# KiCad board BeanBoard.kicad_pcb
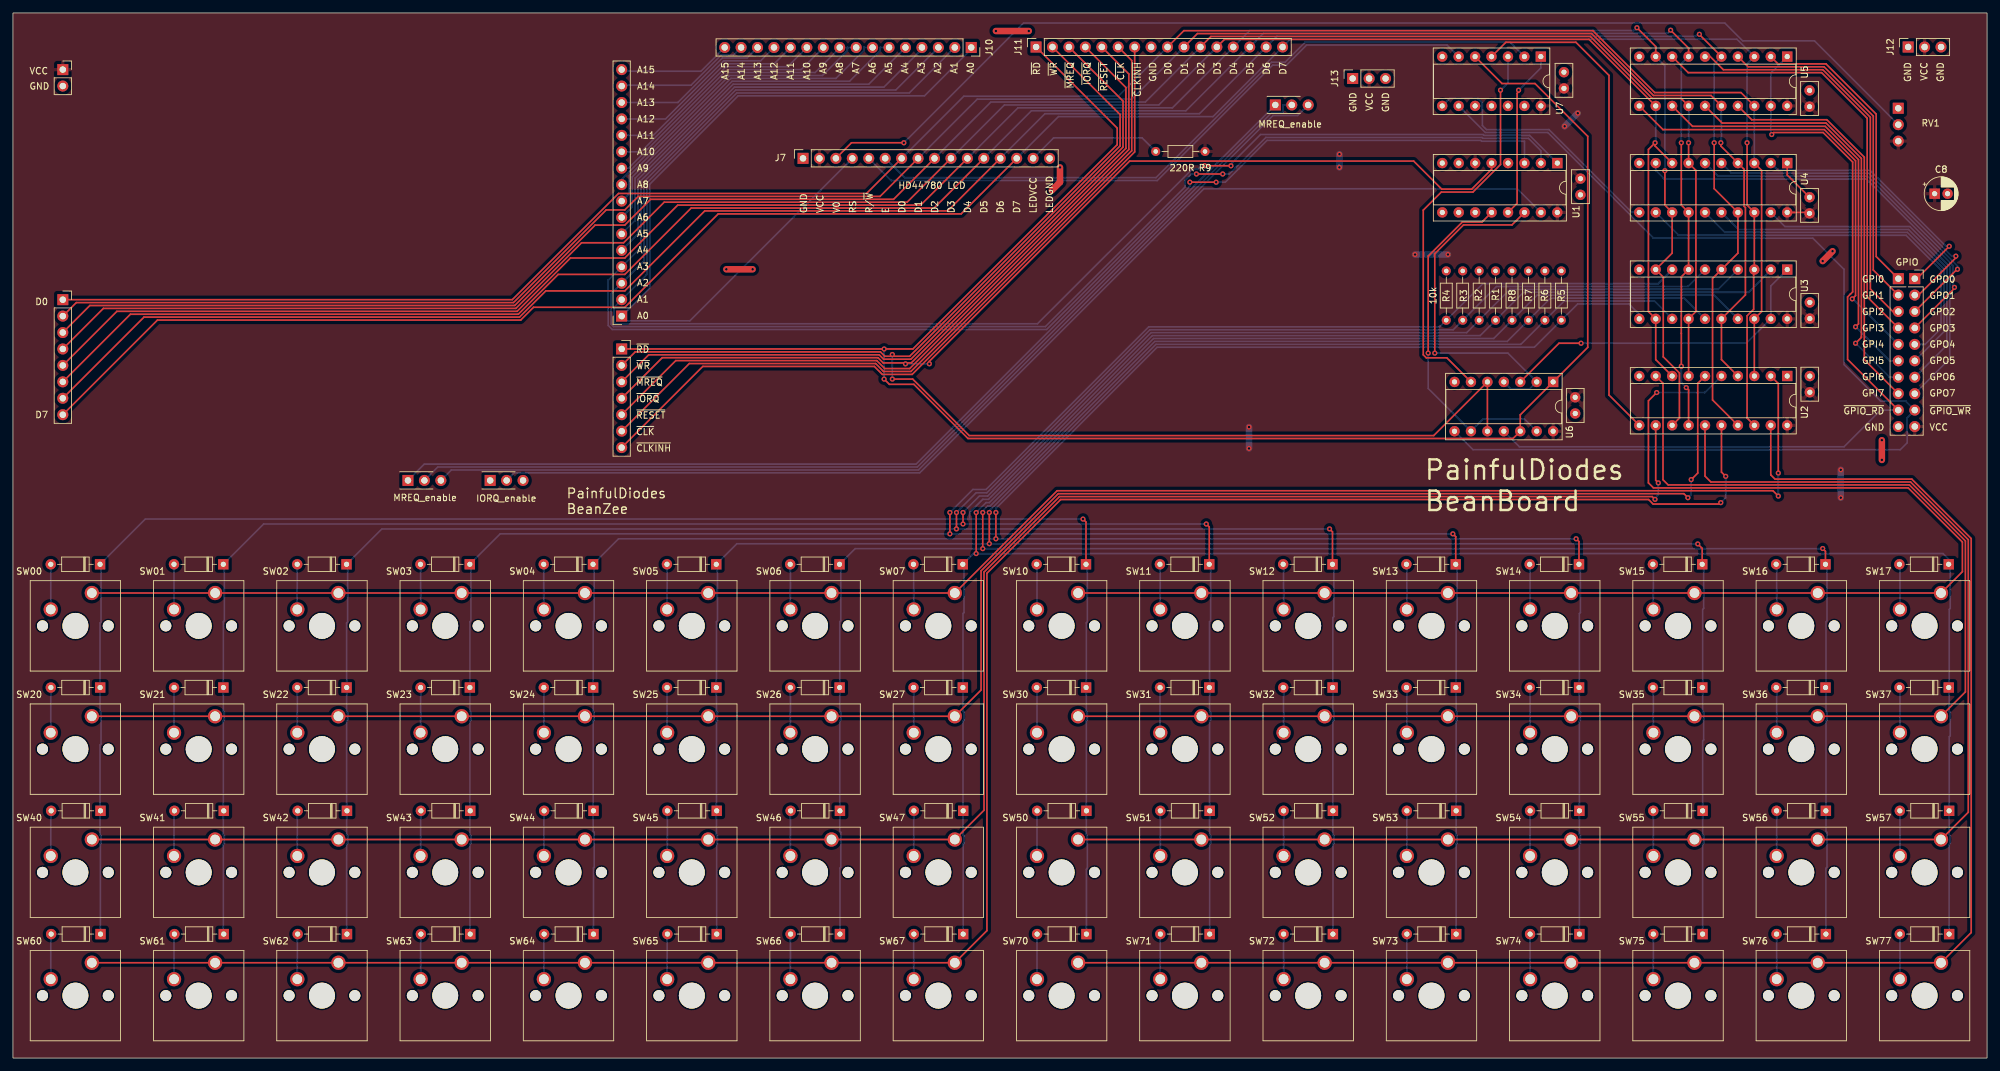
[diagram p0: board, top side]
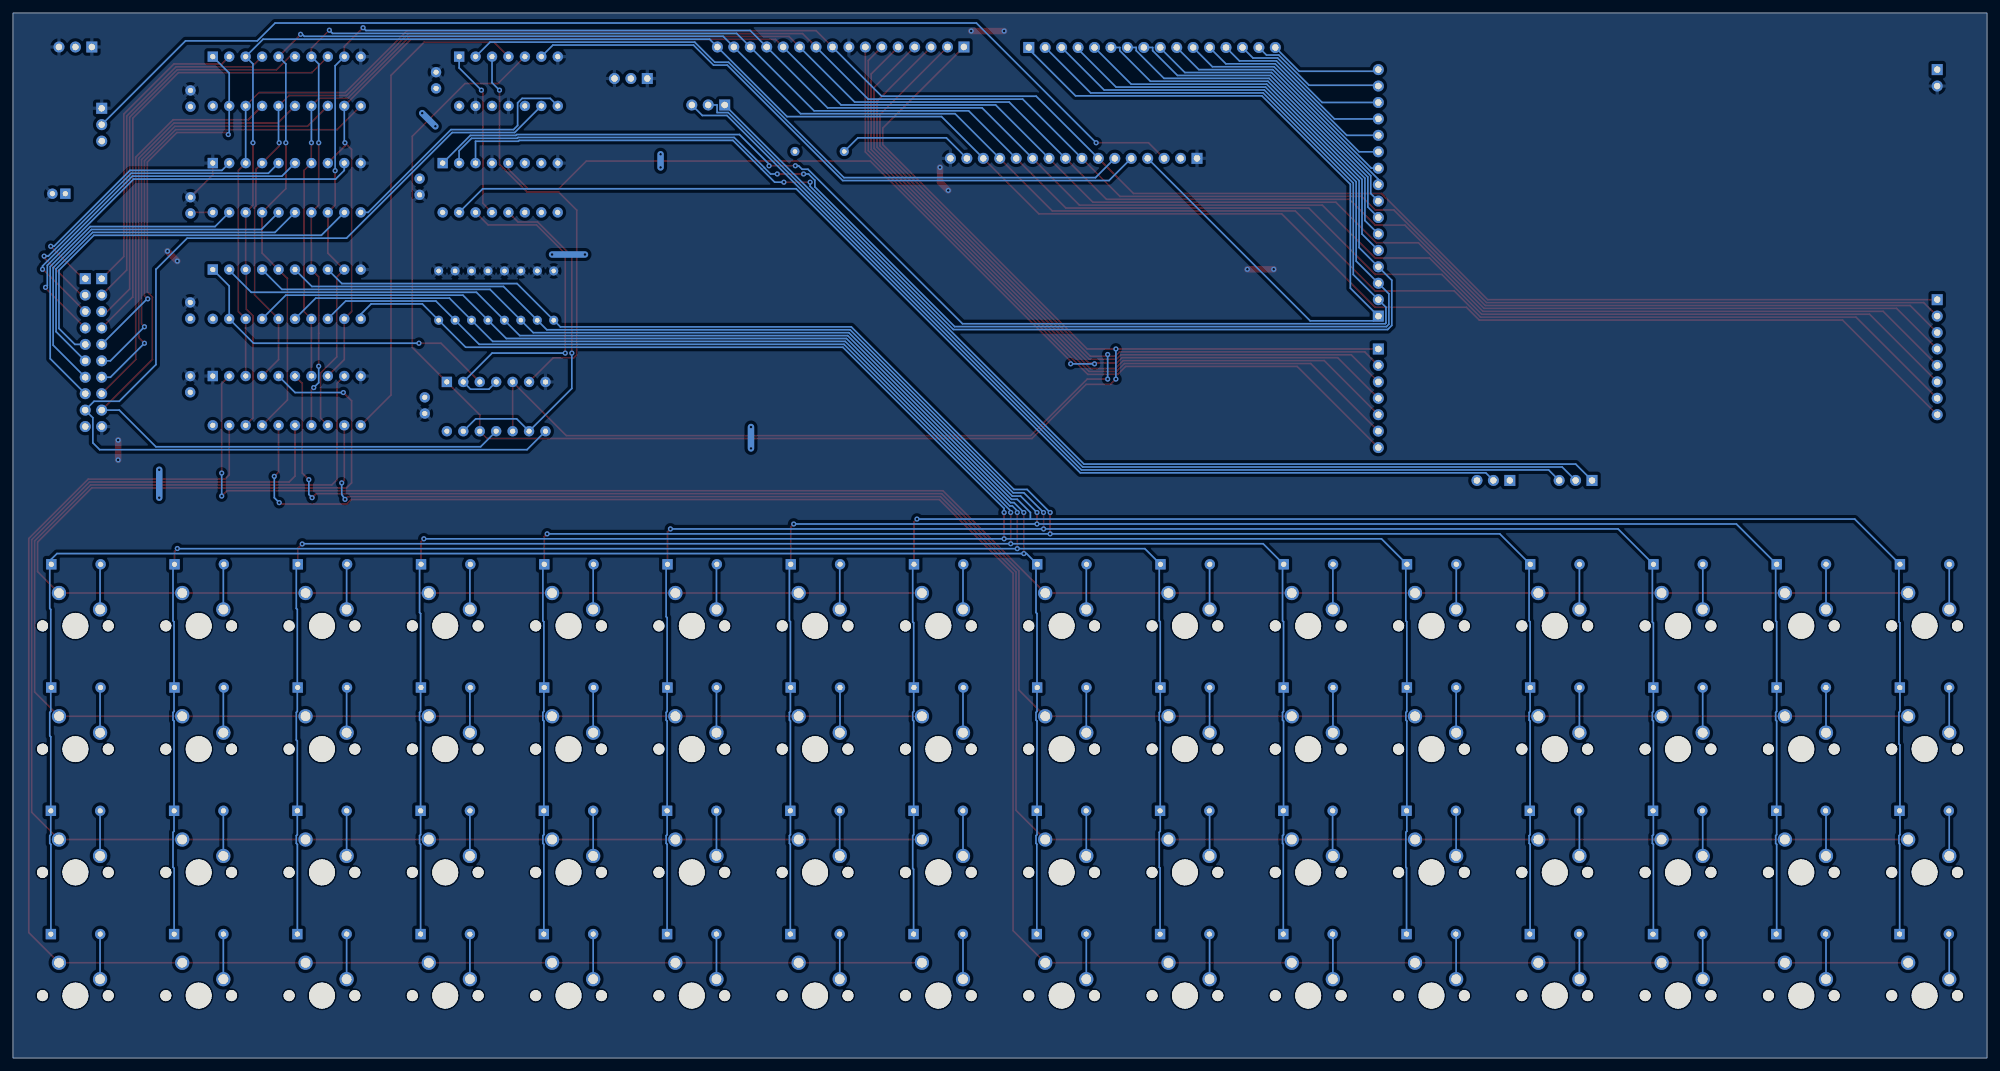
[diagram p1: board, bottom side, seen from below]

Outline 305.05 x 161.54 mm; copper layers: Top, Bottom. Coordinates in mm from the lower left corner of the outline.
Outline path: rectangle 0,161.54 305.05,0

## Placement (name value [footprint] x y rotation side)
C1  0.1uF  [C_Disc_D5.0mm_W2.5mm_P2.50mm]  277.62 149.57 270 top
C2  0.1uF  [C_Disc_D5.0mm_W2.5mm_P2.50mm]  277.62 133.06 270 top
C3  0.1uF  [C_Disc_D5.0mm_W2.5mm_P2.50mm]  239.67 152.38 270 top
C4  0.1uF  [C_Disc_D5.0mm_W2.5mm_P2.50mm]  242.22 135.93 270 top
C5  0.1uF  [C_Disc_D5.0mm_W2.5mm_P2.50mm]  241.41 102.13 270 top
C6  0.1uF  [C_Disc_D5.0mm_W2.5mm_P2.50mm]  277.66 116.8 270 top
C7  0.1uF  [C_Disc_D5.0mm_W2.5mm_P2.50mm]  277.66 105.41 270 top
C8  100uF  [CP_Radial_D5.0mm_P2.00mm]  296.96 133.6 0 top
D00  1N4148  [D_DO-35_SOD27_P7.62mm_Horizontal]  13.46 76.32 180 top
D01  1N4148  [D_DO-35_SOD27_P7.62mm_Horizontal]  32.51 76.32 180 top
D02  1N4148  [D_DO-35_SOD27_P7.62mm_Horizontal]  51.55 76.32 180 top
D03  1N4148  [D_DO-35_SOD27_P7.62mm_Horizontal]  70.59 76.32 180 top
D04  1N4148  [D_DO-35_SOD27_P7.62mm_Horizontal]  89.64 76.32 180 top
D05  1N4148  [D_DO-35_SOD27_P7.62mm_Horizontal]  108.68 76.32 180 top
D06  1N4148  [D_DO-35_SOD27_P7.62mm_Horizontal]  127.73 76.32 180 top
D07  1N4148  [D_DO-35_SOD27_P7.62mm_Horizontal]  146.77 76.32 180 top
D10  1N4148  [D_DO-35_SOD27_P7.62mm_Horizontal]  165.82 76.32 180 top
D11  1N4148  [D_DO-35_SOD27_P7.62mm_Horizontal]  184.86 76.32 180 top
D12  1N4148  [D_DO-35_SOD27_P7.62mm_Horizontal]  203.9 76.32 180 top
D13  1N4148  [D_DO-35_SOD27_P7.62mm_Horizontal]  222.95 76.32 180 top
D14  1N4148  [D_DO-35_SOD27_P7.62mm_Horizontal]  241.99 76.32 180 top
D15  1N4148  [D_DO-35_SOD27_P7.62mm_Horizontal]  261.04 76.32 180 top
D16  1N4148  [D_DO-35_SOD27_P7.62mm_Horizontal]  280.08 76.32 180 top
D17  1N4148  [D_DO-35_SOD27_P7.62mm_Horizontal]  299.13 76.32 180 top
D20  1N4148  [D_DO-35_SOD27_P7.62mm_Horizontal]  13.48 57.27 180 top
D21  1N4148  [D_DO-35_SOD27_P7.62mm_Horizontal]  32.52 57.27 180 top
D22  1N4148  [D_DO-35_SOD27_P7.62mm_Horizontal]  51.56 57.27 180 top
D23  1N4148  [D_DO-35_SOD27_P7.62mm_Horizontal]  70.61 57.27 180 top
D24  1N4148  [D_DO-35_SOD27_P7.62mm_Horizontal]  89.65 57.27 180 top
D25  1N4148  [D_DO-35_SOD27_P7.62mm_Horizontal]  108.7 57.27 180 top
D26  1N4148  [D_DO-35_SOD27_P7.62mm_Horizontal]  127.74 57.27 180 top
D27  1N4148  [D_DO-35_SOD27_P7.62mm_Horizontal]  146.79 57.27 180 top
D30  1N4148  [D_DO-35_SOD27_P7.62mm_Horizontal]  165.83 57.27 180 top
D31  1N4148  [D_DO-35_SOD27_P7.62mm_Horizontal]  184.87 57.27 180 top
D32  1N4148  [D_DO-35_SOD27_P7.62mm_Horizontal]  203.92 57.27 180 top
D33  1N4148  [D_DO-35_SOD27_P7.62mm_Horizontal]  222.96 57.27 180 top
D34  1N4148  [D_DO-35_SOD27_P7.62mm_Horizontal]  242.01 57.27 180 top
D35  1N4148  [D_DO-35_SOD27_P7.62mm_Horizontal]  261.05 57.27 180 top
D36  1N4148  [D_DO-35_SOD27_P7.62mm_Horizontal]  280.1 57.27 180 top
D37  1N4148  [D_DO-35_SOD27_P7.62mm_Horizontal]  299.14 57.27 180 top
D40  1N4148  [D_DO-35_SOD27_P7.62mm_Horizontal]  13.53 38.22 180 top
D41  1N4148  [D_DO-35_SOD27_P7.62mm_Horizontal]  32.57 38.22 180 top
D42  1N4148  [D_DO-35_SOD27_P7.62mm_Horizontal]  51.62 38.22 180 top
D43  1N4148  [D_DO-35_SOD27_P7.62mm_Horizontal]  70.66 38.22 180 top
D44  1N4148  [D_DO-35_SOD27_P7.62mm_Horizontal]  89.7 38.22 180 top
D45  1N4148  [D_DO-35_SOD27_P7.62mm_Horizontal]  108.75 38.22 180 top
D46  1N4148  [D_DO-35_SOD27_P7.62mm_Horizontal]  127.79 38.22 180 top
D47  1N4148  [D_DO-35_SOD27_P7.62mm_Horizontal]  146.84 38.22 180 top
D50  1N4148  [D_DO-35_SOD27_P7.62mm_Horizontal]  165.88 38.22 180 top
D51  1N4148  [D_DO-35_SOD27_P7.62mm_Horizontal]  184.93 38.22 180 top
D52  1N4148  [D_DO-35_SOD27_P7.62mm_Horizontal]  203.97 38.22 180 top
D53  1N4148  [D_DO-35_SOD27_P7.62mm_Horizontal]  223.01 38.22 180 top
D54  1N4148  [D_DO-35_SOD27_P7.62mm_Horizontal]  242.06 38.22 180 top
D55  1N4148  [D_DO-35_SOD27_P7.62mm_Horizontal]  261.1 38.22 180 top
D56  1N4148  [D_DO-35_SOD27_P7.62mm_Horizontal]  280.15 38.22 180 top
D57  1N4148  [D_DO-35_SOD27_P7.62mm_Horizontal]  299.19 38.22 180 top
D60  1N4148  [D_DO-35_SOD27_P7.62mm_Horizontal]  13.53 19.16 180 top
D61  1N4148  [D_DO-35_SOD27_P7.62mm_Horizontal]  32.57 19.16 180 top
D62  1N4148  [D_DO-35_SOD27_P7.62mm_Horizontal]  51.62 19.16 180 top
D63  1N4148  [D_DO-35_SOD27_P7.62mm_Horizontal]  70.66 19.16 180 top
D64  1N4148  [D_DO-35_SOD27_P7.62mm_Horizontal]  89.7 19.16 180 top
D65  1N4148  [D_DO-35_SOD27_P7.62mm_Horizontal]  108.75 19.16 180 top
D66  1N4148  [D_DO-35_SOD27_P7.62mm_Horizontal]  127.79 19.16 180 top
D67  1N4148  [D_DO-35_SOD27_P7.62mm_Horizontal]  146.84 19.16 180 top
D70  1N4148  [D_DO-35_SOD27_P7.62mm_Horizontal]  165.88 19.16 180 top
D71  1N4148  [D_DO-35_SOD27_P7.62mm_Horizontal]  184.93 19.16 180 top
D72  1N4148  [D_DO-35_SOD27_P7.62mm_Horizontal]  203.97 19.16 180 top
D73  1N4148  [D_DO-35_SOD27_P7.62mm_Horizontal]  223.01 19.16 180 top
D74  1N4148  [D_DO-35_SOD27_P7.62mm_Horizontal]  242.06 19.16 180 top
D75  1N4148  [D_DO-35_SOD27_P7.62mm_Horizontal]  261.1 19.16 180 top
D76  1N4148  [D_DO-35_SOD27_P7.62mm_Horizontal]  280.15 19.16 180 top
D77  1N4148  [D_DO-35_SOD27_P7.62mm_Horizontal]  299.19 19.16 180 top
J1  BZ_Address  [PinSocket_1x16_P2.54mm_Vertical]  94.06 114.68 180 top
J2  BZ_Data  [PinSocket_1x08_P2.54mm_Vertical]  7.7 117.22 0 top
J3  BZ_Control  [PinSocket_1x07_P2.54mm_Vertical]  94.06 109.6 0 top
J4  BZ_Power  [PinSocket_1x02_P2.54mm_Vertical]  7.7 152.78 0 top
J5  BZ_IORQ_enable  [PinSocket_1x03_P2.54mm_Vertical_alt]  73.74 89.28 90 top
J6  BZ_MREQ_enable  [PinSocket_1x03_P2.54mm_Vertical_alt]  61.04 89.28 90 top
J7  LCD  [PinSocket_1x16_P2.54mm_Vertical]  122.09 139.07 90 top
J8  GPO  [PinSocket_1x10_P2.54mm_Vertical_alt2]  293.88 120.47 0 top
J9  GPI  [PinSocket_1x10_P2.54mm_Vertical_alt]  291.34 120.47 0 top
J10  Address  [PinSocket_1x16_P2.54mm_Vertical]  148.08 156.21 270 top
J11  Control/Data  [PinSocket_1x16_P2.54mm_Vertical]  158.1 156.28 90 top
J12  Power  [PinSocket_1x03_P2.54mm_Vertical]  292.86 156.28 90 top
J13  Power  [PinSocket_1x03_P2.54mm_Vertical]  207.02 151.41 90 top
JP1  MREQ_enable  [PinSocket_1x03_P2.54mm_Vertical_alt]  195.07 147.32 90 top
R1  10k  [R_Axial_DIN0204_L3.6mm_D1.6mm_P7.62mm_Horizontal]  229.11 121.67 270 top
R2  10k  [R_Axial_DIN0204_L3.6mm_D1.6mm_P7.62mm_Horizontal]  226.57 121.67 270 top
R3  10k  [R_Axial_DIN0204_L3.6mm_D1.6mm_P7.62mm_Horizontal]  224.03 121.67 270 top
R4  10k  [R_Axial_DIN0204_L3.6mm_D1.6mm_P7.62mm_Horizontal]  221.49 121.67 270 top
R5  10k  [R_Axial_DIN0204_L3.6mm_D1.6mm_P7.62mm_Horizontal]  239.27 121.67 270 top
R6  10k  [R_Axial_DIN0204_L3.6mm_D1.6mm_P7.62mm_Horizontal]  236.73 121.67 270 top
R7  10k  [R_Axial_DIN0204_L3.6mm_D1.6mm_P7.62mm_Horizontal]  234.19 121.67 270 top
R8  10k  [R_Axial_DIN0204_L3.6mm_D1.6mm_P7.62mm_Horizontal]  231.65 121.67 270 top
R9  220R  [R_Axial_DIN0204_L3.6mm_D1.6mm_P7.62mm_Horizontal]  176.59 140.13 0 top
RV1  50k  [Pot_THD_vertical_1x03_P2.54mm]  291.34 146.81 0 top
SW00  SW_Push_45deg  [SW_Cherry_MX_1.00u_PCB_alt]  12.19 71.88 0 top
SW01  SW_Push_45deg  [SW_Cherry_MX_1.00u_PCB_alt]  31.24 71.88 0 top
SW02  SW_Push_45deg  [SW_Cherry_MX_1.00u_PCB_alt]  50.29 71.88 0 top
SW03  SW_Push_45deg  [SW_Cherry_MX_1.00u_PCB_alt]  69.34 71.88 0 top
SW04  SW_Push_45deg  [SW_Cherry_MX_1.00u_PCB_alt]  88.39 71.88 0 top
SW05  SW_Push_45deg  [SW_Cherry_MX_1.00u_PCB_alt]  107.44 71.88 0 top
SW06  SW_Push_45deg  [SW_Cherry_MX_1.00u_PCB_alt]  126.49 71.88 0 top
SW07  SW_Push_45deg  [SW_Cherry_MX_1.00u_PCB_alt]  145.54 71.88 0 top
SW10  SW_Push_45deg  [SW_Cherry_MX_1.00u_PCB_alt]  164.59 71.88 0 top
SW11  SW_Push_45deg  [SW_Cherry_MX_1.00u_PCB_alt]  183.64 71.88 0 top
SW12  SW_Push_45deg  [SW_Cherry_MX_1.00u_PCB_alt]  202.69 71.88 0 top
SW13  SW_Push_45deg  [SW_Cherry_MX_1.00u_PCB_alt]  221.74 71.88 0 top
SW14  SW_Push_45deg  [SW_Cherry_MX_1.00u_PCB_alt]  240.79 71.88 0 top
SW15  SW_Push_45deg  [SW_Cherry_MX_1.00u_PCB_alt]  259.84 71.88 0 top
SW16  SW_Push_45deg  [SW_Cherry_MX_1.00u_PCB_alt]  278.89 71.88 0 top
SW17  SW_Push_45deg  [SW_Cherry_MX_1.00u_PCB_alt]  297.94 71.88 0 top
SW20  SW_Push_45deg  [SW_Cherry_MX_1.00u_PCB_alt]  12.19 52.83 0 top
SW21  SW_Push_45deg  [SW_Cherry_MX_1.00u_PCB_alt]  31.24 52.83 0 top
SW22  SW_Push_45deg  [SW_Cherry_MX_1.00u_PCB_alt]  50.29 52.83 0 top
SW23  SW_Push_45deg  [SW_Cherry_MX_1.00u_PCB_alt]  69.34 52.83 0 top
SW24  SW_Push_45deg  [SW_Cherry_MX_1.00u_PCB_alt]  88.39 52.83 0 top
SW25  SW_Push_45deg  [SW_Cherry_MX_1.00u_PCB_alt]  107.44 52.83 0 top
SW26  SW_Push_45deg  [SW_Cherry_MX_1.00u_PCB_alt]  126.49 52.83 0 top
SW27  SW_Push_45deg  [SW_Cherry_MX_1.00u_PCB_alt]  145.54 52.83 0 top
SW30  SW_Push_45deg  [SW_Cherry_MX_1.00u_PCB_alt]  164.59 52.83 0 top
SW31  SW_Push_45deg  [SW_Cherry_MX_1.00u_PCB_alt]  183.64 52.83 0 top
SW32  SW_Push_45deg  [SW_Cherry_MX_1.00u_PCB_alt]  202.69 52.83 0 top
SW33  SW_Push_45deg  [SW_Cherry_MX_1.00u_PCB_alt]  221.74 52.83 0 top
SW34  SW_Push_45deg  [SW_Cherry_MX_1.00u_PCB_alt]  240.79 52.83 0 top
SW35  SW_Push_45deg  [SW_Cherry_MX_1.00u_PCB_alt]  259.84 52.83 0 top
SW36  SW_Push_45deg  [SW_Cherry_MX_1.00u_PCB_alt]  278.89 52.83 0 top
SW37  SW_Push_45deg  [SW_Cherry_MX_1.00u_PCB_alt]  297.94 52.83 0 top
SW40  SW_Push_45deg  [SW_Cherry_MX_1.00u_PCB_alt]  12.19 33.78 0 top
SW41  SW_Push_45deg  [SW_Cherry_MX_1.00u_PCB_alt]  31.24 33.78 0 top
SW42  SW_Push_45deg  [SW_Cherry_MX_1.00u_PCB_alt]  50.29 33.78 0 top
SW43  SW_Push_45deg  [SW_Cherry_MX_1.00u_PCB_alt]  69.34 33.78 0 top
SW44  SW_Push_45deg  [SW_Cherry_MX_1.00u_PCB_alt]  88.39 33.78 0 top
SW45  SW_Push_45deg  [SW_Cherry_MX_1.00u_PCB_alt]  107.44 33.78 0 top
SW46  SW_Push_45deg  [SW_Cherry_MX_1.00u_PCB_alt]  126.49 33.78 0 top
SW47  SW_Push_45deg  [SW_Cherry_MX_1.00u_PCB_alt]  145.54 33.78 0 top
SW50  SW_Push_45deg  [SW_Cherry_MX_1.00u_PCB_alt]  164.59 33.78 0 top
SW51  SW_Push_45deg  [SW_Cherry_MX_1.00u_PCB_alt]  183.64 33.78 0 top
SW52  SW_Push_45deg  [SW_Cherry_MX_1.00u_PCB_alt]  202.69 33.78 0 top
SW53  SW_Push_45deg  [SW_Cherry_MX_1.00u_PCB_alt]  221.74 33.78 0 top
SW54  SW_Push_45deg  [SW_Cherry_MX_1.00u_PCB_alt]  240.79 33.78 0 top
SW55  SW_Push_45deg  [SW_Cherry_MX_1.00u_PCB_alt]  259.84 33.78 0 top
SW56  SW_Push_45deg  [SW_Cherry_MX_1.00u_PCB_alt]  278.89 33.78 0 top
SW57  SW_Push_45deg  [SW_Cherry_MX_1.00u_PCB_alt]  297.94 33.78 0 top
SW60  SW_Push_45deg  [SW_Cherry_MX_1.00u_PCB_alt]  12.19 14.73 0 top
SW61  SW_Push_45deg  [SW_Cherry_MX_1.00u_PCB_alt]  31.24 14.73 0 top
SW62  SW_Push_45deg  [SW_Cherry_MX_1.00u_PCB_alt]  50.29 14.73 0 top
SW63  SW_Push_45deg  [SW_Cherry_MX_1.00u_PCB_alt]  69.34 14.73 0 top
SW64  SW_Push_45deg  [SW_Cherry_MX_1.00u_PCB_alt]  88.39 14.73 0 top
SW65  SW_Push_45deg  [SW_Cherry_MX_1.00u_PCB_alt]  107.44 14.73 0 top
SW66  SW_Push_45deg  [SW_Cherry_MX_1.00u_PCB_alt]  126.49 14.73 0 top
SW67  SW_Push_45deg  [SW_Cherry_MX_1.00u_PCB_alt]  145.54 14.73 0 top
SW70  SW_Push_45deg  [SW_Cherry_MX_1.00u_PCB_alt]  164.59 14.73 0 top
SW71  SW_Push_45deg  [SW_Cherry_MX_1.00u_PCB_alt]  183.64 14.73 0 top
SW72  SW_Push_45deg  [SW_Cherry_MX_1.00u_PCB_alt]  202.69 14.73 0 top
SW73  SW_Push_45deg  [SW_Cherry_MX_1.00u_PCB_alt]  221.74 14.73 0 top
SW74  SW_Push_45deg  [SW_Cherry_MX_1.00u_PCB_alt]  240.79 14.73 0 top
SW75  SW_Push_45deg  [SW_Cherry_MX_1.00u_PCB_alt]  259.84 14.73 0 top
SW76  SW_Push_45deg  [SW_Cherry_MX_1.00u_PCB_alt]  278.89 14.73 0 top
SW77  SW_Push_45deg  [SW_Cherry_MX_1.00u_PCB_alt]  297.94 14.73 0 top
U1  74LS138  [DIP-16_W7.62mm_Socket]  238.65 138.34 270 top
U2  SN74LS373  [DIP-20_W7.62mm_Socket]  274.17 105.42 270 top
U3  74LS244  [DIP-20_W7.62mm_Socket]  274.17 121.88 270 top
U4  SN74LS373  [DIP-20_W7.62mm_Socket]  274.17 138.34 270 top
U5  74LS244  [DIP-20_W7.62mm_Socket]  274.17 154.79 270 top
U6  74LS32  [DIP-14_W7.62mm_Socket]  238 104.51 270 top
U7  74LS04  [DIP-14_W7.62mm_Socket]  236.1 154.79 270 top

## Library data of the parts
C1-C7 = -: Description: Unpolarized capacitor
C8 = -: Description: Polarized capacitor
D00 D01 D02 D03 D04 D05 D06 D07 D10-D17 D20-D27 D30-D37 D40-D47 D50-D57 D60-D67 D70-D77 = -: Description: 100V 0.15A standard switching diode, DO-35; Sim.Device: D; Sim.Pins: 1=K 2=A; Field6: K
J1 J7 J10 J11 = -: Description: Generic connector, single row, 01x16, script generated
J2 = -: Description: Generic connector, single row, 01x08, script generated
J3 = -: Description: Generic connector, single row, 01x07, script generated
J4 = -: Description: Generic connector, single row, 01x02, script generated
J5 J6 J12 J13 = -: Description: Generic connector, single row, 01x03, script generated
J8 J9 = -: Description: Generic connector, single row, 01x10, script generated
JP1 = -: Description: Jumper, 3-pole, pins 1+2 closed/bridged
R1-R9 = -: Description: Resistor
RV1 = -: Description: Potentiometer
SW00 SW01 SW02 SW03 SW04 SW05 SW06 SW07 SW10-SW17 SW20-SW27 SW30-SW37 SW40-SW47 SW50-SW57 SW60-SW67 SW70-SW77 = -: Description: Push button switch, normally open, two pins, 45° tilted
U1 = -: Description: Decoder 3 to 8 active low outputs
U2 U4 = -: Description: 8-bit Latch, 3-state outputs
U3 U5 = -: Description: Octal Buffer and Line Driver With 3-State Output, active-low enables, non-inverting outputs
U6 = -: Description: Quad 2-input OR
U7 = -: Description: Hex Inverter

## Footprints (pads in the part's own frame, mm; a bottom-side part is the same pattern mirrored in y, then rotated)
C_Disc_D5.0mm_W2.5mm_P2.50mm
  round 1.6 hole 0.8: 1(0,0) 2(2.5,0)
CP_Radial_D5.0mm_P2.00mm
  rect 1.6x1.6 hole 0.8: 1(0,0)
  round 1.6 hole 0.8: 2(2,0)
D_DO-35_SOD27_P7.62mm_Horizontal
  rect 1.6x1.6 hole 0.8: 1(0,0)
  oval 1.6x1.6 hole 0.8: 2(7.62,0)
DIP-14_W7.62mm_Socket
  rect 1.6x1.6 hole 0.8: 1(0,0)
  oval 1.6x1.6 hole 0.8: 2(0,-2.54) 3(0,-5.08) 4(0,-7.62) 5(0,-10.16) 6(0,-12.7) 7(0,-15.24) 8(7.62,-15.24) 9(7.62,-12.7) 10(7.62,-10.16) 11(7.62,-7.62) 12(7.62,-5.08) 13(7.62,-2.54) 14(7.62,0)
DIP-16_W7.62mm_Socket
  rect 1.6x1.6 hole 0.8: 1(0,0)
  oval 1.6x1.6 hole 0.8: 2(0,-2.54) 3(0,-5.08) 4(0,-7.62) 5(0,-10.16) 6(0,-12.7) 7(0,-15.24) 8(0,-17.78) 9(7.62,-17.78) 10(7.62,-15.24) 11(7.62,-12.7) 12(7.62,-10.16) 13(7.62,-7.62) 14(7.62,-5.08) 15(7.62,-2.54) 16(7.62,0)
DIP-20_W7.62mm_Socket
  rect 1.6x1.6 hole 0.8: 1(0,0)
  oval 1.6x1.6 hole 0.8: 2(0,-2.54) 3(0,-5.08) 4(0,-7.62) 5(0,-10.16) 6(0,-12.7) 7(0,-15.24) 8(0,-17.78) 9(0,-20.32) 10(0,-22.86) 11(7.62,-22.86) 12(7.62,-20.32) 13(7.62,-17.78) 14(7.62,-15.24) 15(7.62,-12.7) 16(7.62,-10.16) 17(7.62,-7.62) 18(7.62,-5.08) 19(7.62,-2.54) 20(7.62,0)
PinSocket_1x02_P2.54mm_Vertical
  rect 1.7x1.7 hole 1: 1(0,0)
  oval 1.7x1.7 hole 1: 2(0,-2.54)
PinSocket_1x03_P2.54mm_Vertical
  rect 1.7x1.7 hole 1: 1(0,0)
  oval 1.7x1.7 hole 1: 2(0,-2.54) 3(0,-5.08)
PinSocket_1x03_P2.54mm_Vertical_alt
  rect 1.7x1.7 hole 1: 1(0,0)
  oval 1.7x1.7 hole 1: 2(0,-2.54) 3(0,-5.08)
PinSocket_1x07_P2.54mm_Vertical
  rect 1.7x1.7 hole 1: 1(0,0)
  oval 1.7x1.7 hole 1: 2(0,-2.54) 3(0,-5.08) 4(0,-7.62) 5(0,-10.16) 6(0,-12.7) 7(0,-15.24)
PinSocket_1x08_P2.54mm_Vertical
  rect 1.7x1.7 hole 1: 1(0,0)
  oval 1.7x1.7 hole 1: 2(0,-2.54) 3(0,-5.08) 4(0,-7.62) 5(0,-10.16) 6(0,-12.7) 7(0,-15.24) 8(0,-17.78)
PinSocket_1x10_P2.54mm_Vertical_alt
  rect 1.7x1.7 hole 1: 1(0,0)
  oval 1.7x1.7 hole 1: 2(0,-2.54) 3(0,-5.08) 4(0,-7.62) 5(0,-10.16) 6(0,-12.7) 7(0,-15.24) 8(0,-17.78) 9(0,-20.32) 10(0,-22.86)
PinSocket_1x10_P2.54mm_Vertical_alt2
  rect 1.7x1.7 hole 1: 1(0,0)
  oval 1.7x1.7 hole 1: 2(0,-2.54) 3(0,-5.08) 4(0,-7.62) 5(0,-10.16) 6(0,-12.7) 7(0,-15.24) 8(0,-17.78) 9(0,-20.32) 10(0,-22.86)
PinSocket_1x16_P2.54mm_Vertical
  rect 1.7x1.7 hole 1: 1(0,0)
  oval 1.7x1.7 hole 1: 2(0,-2.54) 3(0,-5.08) 4(0,-7.62) 5(0,-10.16) 6(0,-12.7) 7(0,-15.24) 8(0,-17.78) 9(0,-20.32) 10(0,-22.86) 11(0,-25.4) 12(0,-27.94) 13(0,-30.48) 14(0,-33.02) 15(0,-35.56) 16(0,-38.1)
Pot_THD_vertical_1x03_P2.54mm
  rect 1.7x1.7 hole 1: 1(0,0)
  oval 1.7x1.7 hole 1: 2(0,-2.54) 3(0,-5.08)
R_Axial_DIN0204_L3.6mm_D1.6mm_P7.62mm_Horizontal
  round 1.4 hole 0.7: 1(0,0)
  oval 1.4x1.4 hole 0.7: 2(7.62,0)
SW_Cherry_MX_1.00u_PCB_alt
  round 1.7 hole 1.7 unplated: (-7.62,-5.08) (2.54,-5.08)
  round 4 hole 4 unplated: (-2.54,-5.08)
  round 2.2 hole 1.5: 1(0,0) 2(-6.35,-2.54)
